# KiCad board FrontEnd_5G.kicad_pcb (continued)
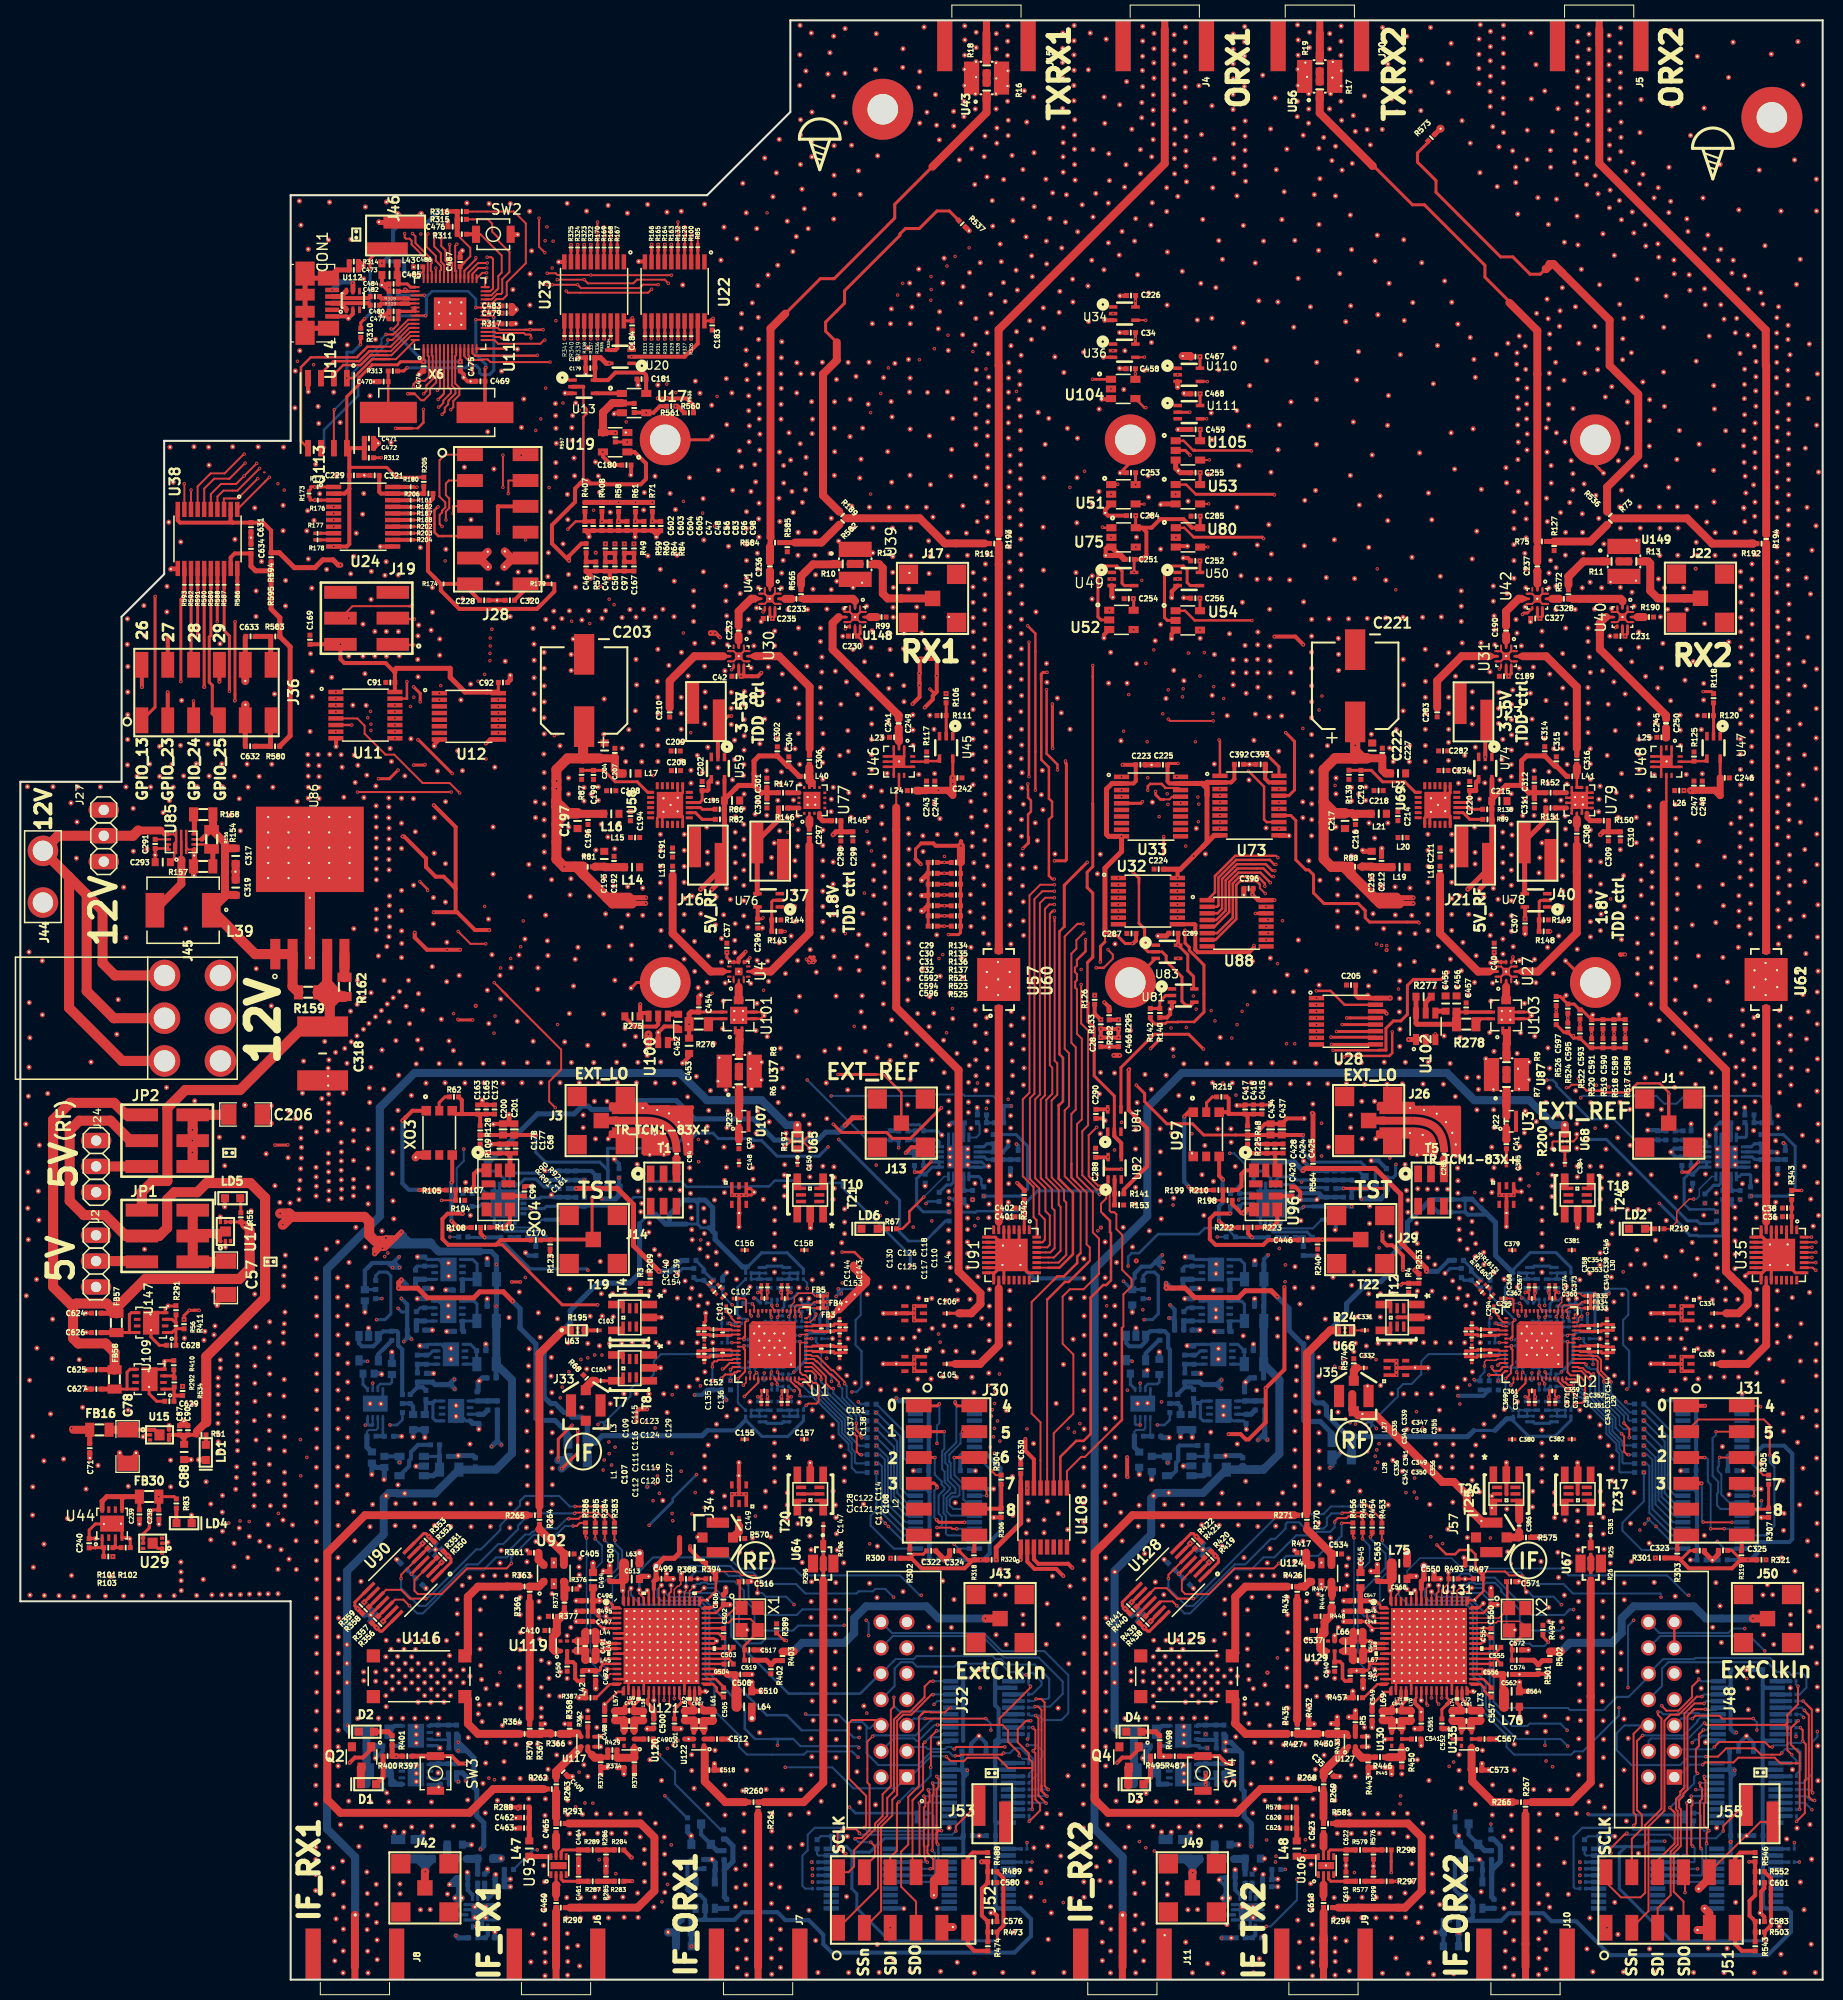
[diagram p0: board, top side]
## Placement (name value [footprint] x y rotation side) (continued)
GND_VIA#1590  VAL**  [GND_VIA#3]  52.44 134.51 90 top
GND_VIA#1591  VAL**  [GND_VIA#3]  53.98 134.55 90 top
GND_VIA#1592  VAL**  [GND_VIA#3]  55.88 134.55 90 top
GND_VIA#1593  VAL**  [GND_VIA#3]  63.16 134.7 90 top
GND_VIA#1594  VAL**  [GND_VIA#3]  61.26 134.7 90 top
GND_VIA#1595  VAL**  [GND_VIA#3]  59.92 134.66 90 top
GND_VIA#1596  VAL**  [GND_VIA#3]  52.41 132.9 90 top
GND_VIA#1597  VAL**  [GND_VIA#3]  60.09 101.68 90 top
GND_VIA#1598  VAL**  [GND_VIA#3]  60.04 100.29 90 top
GND_VIA#1599  VAL**  [GND_VIA#3]  59.38 91.86 90 top
GND_VIA#1600  VAL**  [GND_VIA#3]  59.44 93.5 90 top
GND_VIA#1601  VAL**  [GND_VIA#3]  60.48 92.69 90 top
GND_VIA#1602  VAL**  [GND_VIA#3]  61.62 90.84 90 top
GND_VIA#1603  VAL**  [GND_VIA#3]  60.04 97.47 90 top
GND_VIA#1604  VAL**  [GND_VIA#3]  59.1 103.45 90 top
GND_VIA#1605  VAL**  [GND_VIA#3]  68.34 103.66 90 top
GND_VIA#1606  VAL**  [GND_VIA#3]  124.71 112.44 90 top
GND_VIA#1607  VAL**  [GND_VIA#3]  147.08 158.78 90 top
GND_VIA#1608  VAL**  [GND_VIA#3]  147.16 155.54 90 top
GND_VIA#1609  VAL**  [GND_VIA#3]  147.12 159.9 90 top
GND_VIA#1610  VAL**  [GND_VIA#3]  147.28 154.38 90 top
GND_VIA#1611  VAL**  [GND_VIA#3]  147.25 151.12 90 top
GND_VIA#1612  VAL**  [GND_VIA#3]  147.19 152.81 90 top
GND_VIA#1613  VAL**  [GND_VIA#3]  169.62 146.13 90 top
GND_VIA#1614  VAL**  [GND_VIA#3]  169.51 143.3 90 top
GND_VIA#1615  VAL**  [GND_VIA#3]  169.41 144.67 90 top
GND_VIA#1616  VAL**  [GND_VIA#3]  169.43 144.63 90 top
GND_VIA#1617  VAL**  [GND_VIA#3]  40.49 99.57 90 top
GND_VIA#1618  VAL**  [GND_VIA#3]  37.47 111.19 90 top
GND_VIA#1619  VAL**  [GND_VIA#3]  38.83 112.83 90 top
GND_VIA#1620  VAL**  [GND_VIA#3]  35.75 98.21 90 top
GND_VIA#1621  VAL**  [GND_VIA#3]  35.2 100.62 90 top
GND_VIA#1622  VAL**  [GND_VIA#3]  38.16 98.22 90 top
GND_VIA#1623  VAL**  [GND_VIA#3]  37.49 101.85 90 top
GND_VIA#1624  VAL**  [GND_VIA#3]  46.64 119.17 90 top
GND_VIA#1625  VAL**  [GND_VIA#3]  46.47 113.29 90 top
GND_VIA#1626  VAL**  [GND_VIA#3]  43.46 118.83 90 top
GND_VIA#1627  VAL**  [GND_VIA#3]  43 120.78 90 top
GND_VIA#1628  VAL**  [GND_VIA#3]  46.47 108.66 90 top
GND_VIA#1629  VAL**  [GND_VIA#3]  50.12 106.45 90 top
GND_VIA#1630  VAL**  [GND_VIA#3]  41.38 94.4 90 top
GND_VIA#1631  VAL**  [GND_VIA#3]  57.34 94.92 90 top
GND_VIA#1632  VAL**  [GND_VIA#3]  82.42 102.72 90 top
GND_VIA#1633  VAL**  [GND_VIA#3]  54.38 97.66 90 top
GND_VIA#1634  VAL**  [GND_VIA#3]  46.05 93.98 90 top
GND_VIA#1635  VAL**  [GND_VIA#3]  50.86 97.34 90 top
GND_VIA#1636  VAL**  [GND_VIA#3]  68.2 92.02 90 top
GND_VIA#1637  VAL**  [GND_VIA#3]  49.01 100.72 90 top
GND_VIA#1638  VAL**  [GND_VIA#3]  50.88 99.45 90 top
GND_VIA#1639  VAL**  [GND_VIA#3]  57.87 101.55 90 top
GND_VIA#1640  VAL**  [GND_VIA#3]  54.82 101.47 90 top
GND_VIA#1641  VAL**  [GND_VIA#3]  48.24 99.47 90 top
GND_VIA#1642  VAL**  [GND_VIA#3]  49.99 109.61 90 top
GND_VIA#1643  VAL**  [GND_VIA#3]  55.77 91.83 90 top
GND_VIA#1644  VAL**  [GND_VIA#3]  51.81 102.11 90 top
GND_VIA#1645  VAL**  [GND_VIA#3]  53.51 92.17 90 top
GND_VIA#1646  VAL**  [GND_VIA#3]  53.97 94.96 90 top
GND_VIA#1647  VAL**  [GND_VIA#3]  54.54 100.29 90 top
GND_VIA#1648  VAL**  [GND_VIA#3]  76.59 96.64 90 top
GND_VIA#1649  VAL**  [GND_VIA#3]  12.44 111.1 90 top
GND_VIA#1650  VAL**  [GND_VIA#3]  126.15 135.42 90 top
GND_VIA#1651  VAL**  [GND_VIA#3]  42.57 91.31 90 top
GND_VIA#1652  VAL**  [GND_VIA#3]  42.14 92.27 90 top
GND_VIA#1653  VAL**  [GND_VIA#3]  82.99 93.62 90 top
GND_VIA#1654  VAL**  [GND_VIA#3]  50.41 92.23 90 top
GND_VIA#1655  VAL**  [GND_VIA#3]  47.22 96.39 90 top
GND_VIA#1656  VAL**  [GND_VIA#3]  39.43 91.48 90 top
GND_VIA#1657  VAL**  [GND_VIA#3]  46.02 104.24 90 top
GND_VIA#1658  VAL**  [GND_VIA#3]  49.6 102.28 90 top
GND_VIA#1659  VAL**  [GND_VIA#3]  51.64 104.63 90 top
GND_VIA#1660  VAL**  [GND_VIA#3]  36.27 94.14 90 top
GND_VIA#1661  VAL**  [GND_VIA#3]  35.49 95.25 90 top
GND_VIA#1662  VAL**  [GND_VIA#3]  46.36 100.74 90 top
GND_VIA#1663  VAL**  [GND_VIA#3]  30.26 89.58 90 top
GND_VIA#1664  VAL**  [GND_VIA#3]  31.89 91.53 90 top
GND_VIA#1665  VAL**  [GND_VIA#3]  34.46 89.67 90 top
GND_VIA#1666  VAL**  [GND_VIA#3]  48.85 94.19 90 top
GND_VIA#1667  VAL**  [GND_VIA#3]  32.46 95.19 90 top
GND_VIA#1668  VAL**  [GND_VIA#3]  27.84 90.28 90 top
GND_VIA#1669  VAL**  [GND_VIA#3]  39.06 92.36 90 top
GND_VIA#1670  VAL**  [GND_VIA#3]  36.92 92.3 90 top
GND_VIA#1671  VAL**  [GND_VIA#3]  39.56 95.31 90 top
GND_VIA#1672  VAL**  [GND_VIA#3]  43.14 98.7 90 top
GND_VIA#1673  VAL**  [GND_VIA#3]  51.86 100.66 90 top
GND_VIA#1674  VAL**  [GND_VIA#3]  45.91 97.25 90 top
GND_VIA#1675  VAL**  [GND_VIA#3]  47.14 98.7 90 top
GND_VIA#1676  VAL**  [GND_VIA#3]  41.91 98.09 90 top
GND_VIA#1677  VAL**  [GND_VIA#3]  33.14 98.23 90 top
GND_VIA#1678  VAL**  [GND_VIA#3]  82.65 95.13 90 top
GND_VIA#1679  VAL**  [GND_VIA#3]  78.25 99.02 90 top
GND_VIA#1680  VAL**  [GND_VIA#3]  91.37 96.97 90 top
GND_VIA#1681  VAL**  [GND_VIA#3]  76.26 95.2 90 top
GND_VIA#1682  VAL**  [GND_VIA#3]  82.45 99.2 90 top
GND_VIA#1683  VAL**  [GND_VIA#3]  81.42 107.98 90 top
GND_VIA#1684  VAL**  [GND_VIA#3]  82.82 104.79 90 top
GND_VIA#1685  VAL**  [GND_VIA#3]  89.38 96.61 90 top
GND_VIA#1686  VAL**  [GND_VIA#3]  82.75 96.7 90 top
GND_VIA#1687  VAL**  [GND_VIA#3]  89.79 94.99 90 top
GND_VIA#1688  VAL**  [GND_VIA#3]  80.19 96.67 90 top
GND_VIA#1689  VAL**  [GND_VIA#3]  88.62 106.56 90 top
GND_VIA#1690  VAL**  [GND_VIA#3]  88.6 108.06 90 top
GND_VIA#1691  VAL**  [GND_VIA#3]  88.59 105.05 90 top
GND_VIA#1692  VAL**  [GND_VIA#3]  59.51 152.07 90 top
GND_VIA#1693  VAL**  [GND_VIA#3]  58.37 153.91 90 top
GND_VIA#1694  VAL**  [GND_VIA#3]  57.95 137.77 90 top
GND_VIA#1695  VAL**  [GND_VIA#3]  56.04 137.77 90 top
GND_VIA#1696  VAL**  [GND_VIA#3]  62.52 141.8 90 top
GND_VIA#1697  VAL**  [GND_VIA#3]  60.43 141.81 90 top
GND_VIA#1698  VAL**  [GND_VIA#3]  55.9 141.82 90 top
GND_VIA#1699  VAL**  [GND_VIA#3]  45.95 140.35 90 top
GND_VIA#1700  VAL**  [GND_VIA#3]  47.62 140.38 90 top
GND_VIA#1701  VAL**  [GND_VIA#3]  47.57 138.87 90 top
GND_VIA#1702  VAL**  [GND_VIA#3]  45.98 138.87 90 top
GND_VIA#1703  VAL**  [GND_VIA#3]  35.38 140.86 90 top
GND_VIA#1704  VAL**  [GND_VIA#3]  39.32 140.77 90 top
GND_VIA#1705  VAL**  [GND_VIA#3]  28.3 156.07 90 top
GND_VIA#1706  VAL**  [GND_VIA#3]  35.25 172.77 90 top
GND_VIA#1707  VAL**  [GND_VIA#3]  37.08 173.59 90 top
GND_VIA#1708  VAL**  [GND_VIA#3]  39.41 173.6 90 top
GND_VIA#1709  VAL**  [GND_VIA#3]  43.45 169.94 90 top
GND_VIA#1710  VAL**  [GND_VIA#3]  50.11 167.66 90 top
GND_VIA#1711  VAL**  [GND_VIA#3]  50.26 169.92 90 top
GND_VIA#1712  VAL**  [GND_VIA#3]  52.92 168.83 90 top
GND_VIA#1713  VAL**  [GND_VIA#3]  60.78 168.88 90 top
GND_VIA#1714  VAL**  [GND_VIA#3]  50.14 162.88 90 top
GND_VIA#1715  VAL**  [GND_VIA#3]  50.09 164.59 90 top
GND_VIA#1716  VAL**  [GND_VIA#3]  60.16 161.65 90 top
GND_VIA#1717  VAL**  [GND_VIA#3]  60.12 160.71 90 top
GND_VIA#1718  VAL**  [GND_VIA#3]  60.73 156.72 90 top
GND_VIA#1719  VAL**  [GND_VIA#3]  53.54 155.94 90 top
GND_VIA#1720  VAL**  [GND_VIA#3]  54.98 159.43 90 top
GND_VIA#1721  VAL**  [GND_VIA#3]  55.59 157.79 90 top
GND_VIA#1722  VAL**  [GND_VIA#3]  48.86 160.26 90 top
GND_VIA#1723  VAL**  [GND_VIA#3]  47.31 158.1 90 top
GND_VIA#1724  VAL**  [GND_VIA#3]  49.49 155.36 90 top
GND_VIA#1725  VAL**  [GND_VIA#3]  54.43 149.56 90 top
GND_VIA#1726  VAL**  [GND_VIA#3]  52.64 147.69 90 top
GND_VIA#1727  VAL**  [GND_VIA#3]  52.69 151.01 90 top
GND_VIA#1728  VAL**  [GND_VIA#3]  57.99 144.23 90 top
GND_VIA#1729  VAL**  [GND_VIA#3]  53.82 143.51 90 top
GND_VIA#1730  VAL**  [GND_VIA#3]  52.64 149.11 90 top
GND_VIA#1731  VAL**  [GND_VIA#3]  52.65 152.48 90 top
GND_VIA#1732  VAL**  [GND_VIA#3]  52.62 153.72 90 top
GND_VIA#1733  VAL**  [GND_VIA#3]  52.6 154.91 90 top
GND_VIA#1734  VAL**  [GND_VIA#3]  54.21 152.53 90 top
GND_VIA#1735  VAL**  [GND_VIA#3]  54.29 153.73 90 top
GND_VIA#1736  VAL**  [GND_VIA#3]  54.24 151.29 90 top
GND_VIA#1737  VAL**  [GND_VIA#3]  54.59 154.97 90 top
GND_VIA#1738  VAL**  [GND_VIA#3]  56.82 147.79 90 top
GND_VIA#1739  VAL**  [GND_VIA#3]  62.39 147.77 90 top
GND_VIA#1740  VAL**  [GND_VIA#3]  54.48 147.81 90 top
GND_VIA#1741  VAL**  [GND_VIA#3]  56.93 146.18 90 top
GND_VIA#1742  VAL**  [GND_VIA#3]  61.34 146.17 90 top
GND_VIA#1743  VAL**  [GND_VIA#3]  60.01 147.9 90 top
GND_VIA#1744  VAL**  [GND_VIA#3]  56.54 149.17 90 top
GND_VIA#1745  VAL**  [GND_VIA#3]  33.76 146.07 0 top
GND_VIA#1746  VAL**  [GND_VIA#3]  33.65 144.04 0 top
GND_VIA#1747  VAL**  [GND_VIA#3]  33.02 142.18 90 top
GND_VIA#1748  VAL**  [GND_VIA#3]  36.43 151.09 90 top
GND_VIA#1749  VAL**  [GND_VIA#3]  31.1 147.81 90 top
GND_VIA#1750  VAL**  [GND_VIA#3]  29.04 148.95 90 top
GND_VIA#1751  VAL**  [GND_VIA#3]  29.43 146.05 90 top
GND_VIA#1752  VAL**  [GND_VIA#3]  32.77 139.88 90 top
GND_VIA#1753  VAL**  [GND_VIA#3]  34.51 138.42 90 top
GND_VIA#1754  VAL**  [GND_VIA#3]  35.96 139.37 90 top
GND_VIA#1755  VAL**  [GND_VIA#3]  35.84 138.03 90 top
GND_VIA#1756  VAL**  [GND_VIA#3]  37.15 138.07 90 top
GND_VIA#1757  VAL**  [GND_VIA#3]  37.16 132.5 90 top
GND_VIA#1758  VAL**  [GND_VIA#3]  35.98 132.51 90 top
GND_VIA#1759  VAL**  [GND_VIA#3]  34.85 132.51 90 top
GND_VIA#1760  VAL**  [GND_VIA#3]  33.68 133.23 90 top
GND_VIA#1761  VAL**  [GND_VIA#3]  34.48 135.66 90 top
GND_VIA#1762  VAL**  [GND_VIA#3]  39.16 133.14 90 top
GND_VIA#1763  VAL**  [GND_VIA#3]  39.09 132.08 90 top
GND_VIA#1764  VAL**  [GND_VIA#3]  41.23 131.77 90 top
GND_VIA#1765  VAL**  [GND_VIA#3]  40.5 136.83 90 top
GND_VIA#1766  VAL**  [GND_VIA#3]  40.38 132.64 90 top
GND_VIA#1767  VAL**  [GND_VIA#3]  40.51 134.39 90 top
GND_VIA#1768  VAL**  [GND_VIA#3]  41.83 140.59 90 top
GND_VIA#1769  VAL**  [GND_VIA#3]  48.93 138.35 90 top
GND_VIA#1770  VAL**  [GND_VIA#3]  50.12 138.42 90 top
GND_VIA#1771  VAL**  [GND_VIA#3]  53.35 141.12 90 top
GND_VIA#1772  VAL**  [GND_VIA#3]  53.89 138.12 90 top
GND_VIA#1773  VAL**  [GND_VIA#3]  54.58 136.86 90 top
GND_VIA#1774  VAL**  [GND_VIA#3]  51.86 137.91 90 top
GND_VIA#1775  VAL**  [GND_VIA#3]  62.91 138.62 90 top
GND_VIA#1776  VAL**  [GND_VIA#3]  61.69 139.95 90 top
GND_VIA#1777  VAL**  [GND_VIA#3]  64.28 137.46 90 top
GND_VIA#1778  VAL**  [GND_VIA#3]  64.55 140.02 90 top
GND_VIA#1779  VAL**  [GND_VIA#3]  64.4 144.5 90 top
GND_VIA#1780  VAL**  [GND_VIA#3]  61.27 144.45 90 top
GND_VIA#1781  VAL**  [GND_VIA#3]  52.12 144.26 90 top
GND_VIA#1782  VAL**  [GND_VIA#3]  53.78 145.99 90 top
GND_VIA#1783  VAL**  [GND_VIA#3]  51.91 140.25 90 top
GND_VIA#1784  VAL**  [GND_VIA#3]  50.1 135.67 90 top
GND_VIA#1785  VAL**  [GND_VIA#3]  43.48 135.72 90 top
GND_VIA#1786  VAL**  [GND_VIA#3]  48.15 133.98 90 top
GND_VIA#1787  VAL**  [GND_VIA#3]  47.66 129.59 90 top
GND_VIA#1788  VAL**  [GND_VIA#3]  48.16 128.2 90 top
GND_VIA#1789  VAL**  [GND_VIA#3]  44.26 127.34 90 top
GND_VIA#1790  VAL**  [GND_VIA#3]  43.3 125.78 90 top
GND_VIA#1791  VAL**  [GND_VIA#3]  39.1 128.05 90 top
GND_VIA#1792  VAL**  [GND_VIA#3]  39.07 129.75 90 top
GND_VIA#1793  VAL**  [GND_VIA#3]  41.23 130.18 90 top
GND_VIA#1794  VAL**  [GND_VIA#3]  32.68 125.27 90 top
GND_VIA#1795  VAL**  [GND_VIA#3]  38.4 121.97 90 top
GND_VIA#1796  VAL**  [GND_VIA#3]  31.04 121.21 90 top
GND_VIA#1797  VAL**  [GND_VIA#3]  40.68 121.25 90 top
GND_VIA#1798  VAL**  [GND_VIA#3]  34.85 130.1 90 top
GND_VIA#1799  VAL**  [GND_VIA#3]  35.99 130.09 90 top
GND_VIA#1800  VAL**  [GND_VIA#3]  37.25 130.12 90 top
GND_VIA#1801  VAL**  [GND_VIA#3]  33.68 130.09 90 top
GND_VIA#1802  VAL**  [GND_VIA#3]  32.29 130.09 90 top
GND_VIA#1803  VAL**  [GND_VIA#3]  33.87 128.36 90 top
GND_VIA#1804  VAL**  [GND_VIA#3]  33.99 125.24 90 top
GND_VIA#1805  VAL**  [GND_VIA#3]  33.18 119.36 90 top
GND_VIA#1806  VAL**  [GND_VIA#3]  36.48 119.73 90 top
GND_VIA#1807  VAL**  [GND_VIA#3]  41.01 118.8 90 top
GND_VIA#1808  VAL**  [GND_VIA#3]  37.79 118.31 90 top
GND_VIA#1809  VAL**  [GND_VIA#3]  36.22 116.15 90 top
GND_VIA#1810  VAL**  [GND_VIA#3]  37.47 116.12 90 top
GND_VIA#1811  VAL**  [GND_VIA#3]  38.64 116.08 90 top
GND_VIA#1812  VAL**  [GND_VIA#3]  33.77 116.19 90 top
GND_VIA#1813  VAL**  [GND_VIA#3]  29.11 83.33 180 top
GND_VIA#1814  VAL**  [GND_VIA#3]  30.28 83.48 180 top
GND_VIA#1815  VAL**  [GND_VIA#3]  31.53 84.19 180 top
GND_VIA#1816  VAL**  [GND_VIA#3]  24.67 95.71 180 top
GND_VIA#1817  VAL**  [GND_VIA#3]  22.07 85.96 180 top
GND_VIA#1818  VAL**  [GND_VIA#3]  22.07 85.96 180 top
GND_VIA#1819  VAL**  [GND_VIA#3]  22.07 85.96 180 top
GND_VIA#1820  VAL**  [GND_VIA#3]  22.07 85.96 180 top
GND_VIA#1821  VAL**  [GND_VIA#3]  108.12 148.11 90 top
GND_VIA#1822  VAL**  [GND_VIA#3]  106.59 163.11 90 top
GND_VIA#1823  VAL**  [GND_VIA#3]  111.28 115.73 90 top
GND_VIA#1824  VAL**  [GND_VIA#3]  115.6 113.16 90 top
GND_VIA#1825  VAL**  [GND_VIA#3]  126.66 109.97 90 top
GND_VIA#1826  VAL**  [GND_VIA#3]  116.49 110.64 90 top
GND_VIA#1827  VAL**  [GND_VIA#3]  117.16 126.23 90 top
GND_VIA#1828  VAL**  [GND_VIA#3]  117.37 119.48 90 top
GND_VIA#1829  VAL**  [GND_VIA#3]  115.98 131.84 90 top
GND_VIA#1830  VAL**  [GND_VIA#3]  123.7 120.74 90 top
GND_VIA#1831  VAL**  [GND_VIA#3]  121.26 121.81 90 top
GND_VIA#1832  VAL**  [GND_VIA#3]  112.62 125.93 90 top
GND_VIA#1833  VAL**  [GND_VIA#3]  122.46 113.2 90 top
GND_VIA#1834  VAL**  [GND_VIA#3]  109.73 129.34 90 top
GND_VIA#1835  VAL**  [GND_VIA#3]  111.56 131.6 90 top
GND_VIA#1836  VAL**  [GND_VIA#3]  106.31 155.35 90 top
GND_VIA#1837  VAL**  [GND_VIA#3]  103.19 122.9 90 top
GND_VIA#1838  VAL**  [GND_VIA#3]  106.69 139.98 90 top
GND_VIA#1839  VAL**  [GND_VIA#3]  118.64 124.24 90 top
GND_VIA#1840  VAL**  [GND_VIA#3]  114.38 127.67 90 top
GND_VIA#1841  VAL**  [GND_VIA#3]  119.6 144.72 90 top
GND_VIA#1842  VAL**  [GND_VIA#3]  100.37 116.46 90 top
GND_VIA#1843  VAL**  [GND_VIA#3]  110.87 147.81 90 top
GND_VIA#1844  VAL**  [GND_VIA#3]  86.87 132.37 90 top
GND_VIA#1845  VAL**  [GND_VIA#3]  86.81 130.81 90 top
GND_VIA#1846  VAL**  [GND_VIA#3]  117.38 130.25 90 top
GND_VIA#1847  VAL**  [GND_VIA#3]  113.38 128.69 90 top
GND_VIA#1848  VAL**  [GND_VIA#3]  118.86 132.29 90 top
GND_VIA#1849  VAL**  [GND_VIA#3]  120.78 117.91 90 top
GND_VIA#1850  VAL**  [GND_VIA#3]  116.8 147.94 90 top
GND_VIA#1851  VAL**  [GND_VIA#3]  88.8 133.91 90 top
GND_VIA#1852  VAL**  [GND_VIA#3]  117.14 151.37 90 top
GND_VIA#1853  VAL**  [GND_VIA#3]  105.38 145.1 90 top
GND_VIA#1854  VAL**  [GND_VIA#3]  108.19 121.77 90 top
GND_VIA#1855  VAL**  [GND_VIA#3]  87.4 138.27 90 top
GND_VIA#1856  VAL**  [GND_VIA#3]  102.58 157.97 90 top
GND_VIA#1857  VAL**  [GND_VIA#3]  108.09 165.5 90 top
GND_VIA#1858  VAL**  [GND_VIA#3]  112.09 140.61 90 top
GND_VIA#1859  VAL**  [GND_VIA#3]  111.05 143.91 90 top
GND_VIA#1860  VAL**  [GND_VIA#3]  114.79 145.31 90 top
GND_VIA#1861  VAL**  [GND_VIA#3]  113.18 135.83 90 top
GND_VIA#1862  VAL**  [GND_VIA#3]  113.16 131.8 90 top
GND_VIA#1863  VAL**  [GND_VIA#3]  110.49 158.18 90 top
GND_VIA#1864  VAL**  [GND_VIA#3]  106.65 144.17 90 top
GND_VIA#1865  VAL**  [GND_VIA#3]  114.32 139.74 90 top
GND_VIA#1866  VAL**  [GND_VIA#3]  108.06 161.89 90 top
GND_VIA#1867  VAL**  [GND_VIA#3]  106.48 159.47 90 top
GND_VIA#1868  VAL**  [GND_VIA#3]  108.06 158.38 90 top
GND_VIA#1869  VAL**  [GND_VIA#3]  114.39 155.92 90 top
GND_VIA#1870  VAL**  [GND_VIA#3]  112.08 133.2 90 top
GND_VIA#1871  VAL**  [GND_VIA#3]  113.77 156.53 90 top
GND_VIA#1872  VAL**  [GND_VIA#3]  110.91 145.72 90 top
GND_VIA#1873  VAL**  [GND_VIA#3]  85.76 138.32 90 top
GND_VIA#1874  VAL**  [GND_VIA#3]  111.19 160.92 90 top
GND_VIA#1875  VAL**  [GND_VIA#3]  106.52 131.88 90 top
GND_VIA#1876  VAL**  [GND_VIA#3]  114.36 135.82 90 top
GND_VIA#1877  VAL**  [GND_VIA#3]  108.8 127.43 90 top
GND_VIA#1878  VAL**  [GND_VIA#3]  89.33 138.21 90 top
GND_VIA#1879  VAL**  [GND_VIA#3]  88.6 132.37 90 top
GND_VIA#1880  VAL**  [GND_VIA#3]  89.13 130.86 90 top
GND_VIA#1881  VAL**  [GND_VIA#3]  114.73 140.9 90 top
GND_VIA#1882  VAL**  [GND_VIA#3]  85.49 132.3 90 top
GND_VIA#1883  VAL**  [GND_VIA#3]  85.5 130.74 90 top
GND_VIA#1884  VAL**  [GND_VIA#3]  91.28 133.94 90 top
GND_VIA#1885  VAL**  [GND_VIA#3]  86.85 127.19 90 top
GND_VIA#1886  VAL**  [GND_VIA#3]  88.72 112.43 90 top
GND_VIA#1887  VAL**  [GND_VIA#3]  136.8 139.8 90 top
GND_VIA#1888  VAL**  [GND_VIA#3]  120.76 152.71 90 top
GND_VIA#1889  VAL**  [GND_VIA#3]  131.62 144.94 90 top
GND_VIA#1890  VAL**  [GND_VIA#3]  119.8 148.81 90 top
GND_VIA#1891  VAL**  [GND_VIA#3]  122.81 134.69 90 top
GND_VIA#1892  VAL**  [GND_VIA#3]  122.98 140.12 90 top
GND_VIA#1893  VAL**  [GND_VIA#3]  131.04 153.1 90 top
GND_VIA#1894  VAL**  [GND_VIA#3]  122.72 143 90 top
GND_VIA#1895  VAL**  [GND_VIA#3]  115.7 163.13 90 top
GND_VIA#1896  VAL**  [GND_VIA#3]  124.91 155.07 90 top
GND_VIA#1897  VAL**  [GND_VIA#3]  112.76 169.81 90 top
GND_VIA#1898  VAL**  [GND_VIA#3]  137.55 150.06 90 top
GND_VIA#1899  VAL**  [GND_VIA#3]  143.17 142.37 90 top
GND_VIA#1900  VAL**  [GND_VIA#3]  136.04 163.08 90 top
GND_VIA#1901  VAL**  [GND_VIA#3]  123.78 152.82 90 top
GND_VIA#1902  VAL**  [GND_VIA#3]  85.65 128.26 90 top
GND_VIA#1903  VAL**  [GND_VIA#3]  132.89 149.86 90 top
GND_VIA#1904  VAL**  [GND_VIA#3]  126.26 145.4 90 top
GND_VIA#1905  VAL**  [GND_VIA#3]  129.17 141.53 90 top
GND_VIA#1906  VAL**  [GND_VIA#3]  122.52 159.14 90 top
GND_VIA#1907  VAL**  [GND_VIA#3]  129.7 167.69 90 top
GND_VIA#1908  VAL**  [GND_VIA#3]  130.74 147.85 90 top
GND_VIA#1909  VAL**  [GND_VIA#3]  120.85 156.68 90 top
GND_VIA#1910  VAL**  [GND_VIA#3]  127.42 150.91 90 top
GND_VIA#1911  VAL**  [GND_VIA#3]  127.43 155.31 90 top
GND_VIA#1912  VAL**  [GND_VIA#3]  121.74 165.01 90 top
GND_VIA#1913  VAL**  [GND_VIA#3]  122.94 148.16 90 top
GND_VIA#1914  VAL**  [GND_VIA#3]  135.66 159.72 90 top
GND_VIA#1915  VAL**  [GND_VIA#3]  134.49 155.7 90 top
GND_VIA#1916  VAL**  [GND_VIA#3]  127.33 146.38 90 top
GND_VIA#1917  VAL**  [GND_VIA#3]  123.64 150.37 90 top
GND_VIA#1918  VAL**  [GND_VIA#3]  134.42 143.41 90 top
GND_VIA#1919  VAL**  [GND_VIA#3]  140.71 164.87 90 top
GND_VIA#1920  VAL**  [GND_VIA#3]  119.99 137.99 90 top
GND_VIA#1921  VAL**  [GND_VIA#3]  121.6 141.01 90 top
GND_VIA#1922  VAL**  [GND_VIA#3]  119.4 140.15 90 top
GND_VIA#1923  VAL**  [GND_VIA#3]  126.22 140.93 90 top
GND_VIA#1924  VAL**  [GND_VIA#3]  79.28 84.63 90 top
GND_VIA#1925  VAL**  [GND_VIA#3]  79.07 91.28 90 top
GND_VIA#1926  VAL**  [GND_VIA#3]  85.48 91.83 90 top
GND_VIA#1927  VAL**  [GND_VIA#3]  84.23 90.62 90 top
GND_VIA#1928  VAL**  [GND_VIA#3]  92.54 100.46 90 top
GND_VIA#1929  VAL**  [GND_VIA#3]  80.57 99.38 90 top
GND_VIA#1930  VAL**  [GND_VIA#3]  82.22 100.51 90 top
GND_VIA#1931  VAL**  [GND_VIA#3]  79.99 100.56 90 top
GND_VIA#1932  VAL**  [GND_VIA#3]  83.26 101.69 90 top
GND_VIA#1933  VAL**  [GND_VIA#3]  126.41 99.15 90 top
GND_VIA#1934  VAL**  [GND_VIA#3]  127.67 97.76 90 top
GND_VIA#1935  VAL**  [GND_VIA#3]  123.32 97.11 90 top
GND_VIA#1936  VAL**  [GND_VIA#3]  122.88 100.41 90 top
GND_VIA#1937  VAL**  [GND_VIA#3]  125.63 102.18 90 top
GND_VIA#1938  VAL**  [GND_VIA#3]  132.53 97.67 90 top
GND_VIA#1939  VAL**  [GND_VIA#3]  133.17 99.1 90 top
GND_VIA#1940  VAL**  [GND_VIA#3]  125.14 97.1 90 top
GND_VIA#1941  VAL**  [GND_VIA#3]  121.28 97.1 90 top
GND_VIA#1942  VAL**  [GND_VIA#3]  121.13 100.09 90 top
GND_VIA#1943  VAL**  [GND_VIA#3]  138.92 99.18 90 top
GND_VIA#1944  VAL**  [GND_VIA#3]  137.03 100.06 90 top
GND_VIA#1945  VAL**  [GND_VIA#3]  32.53 92.18 90 top
GND_VIA#1946  VAL**  [GND_VIA#3]  33.73 93.41 90 top
GND_VIA#1947  VAL**  [GND_VIA#3]  33.09 92.76 90 top
GND_VIA#1948  VAL**  [GND_VIA#3]  34.27 93.99 90 top
GND_VIA#1949  VAL**  [GND_VIA#3]  34.91 94.64 90 top
GND_VIA#1950  VAL**  [GND_VIA#3]  36.07 95.9 90 top
GND_VIA#1951  VAL**  [GND_VIA#3]  36.65 96.51 90 top
GND_VIA#1952  VAL**  [GND_VIA#3]  37.28 97.12 90 top
GND_VIA#1953  VAL**  [GND_VIA#3]  33.11 95.86 90 top
GND_VIA#1954  VAL**  [GND_VIA#3]  37.47 100.46 90 top
GND_VIA#1955  VAL**  [GND_VIA#3]  34.48 97 90 top
GND_VIA#1956  VAL**  [GND_VIA#3]  33.75 96.5 90 top
GND_VIA#1957  VAL**  [GND_VIA#3]  35.55 91.37 90 top
GND_VIA#1958  VAL**  [GND_VIA#3]  38.26 93.96 90 top
GND_VIA#1959  VAL**  [GND_VIA#3]  37.93 95.67 90 top
GND_VIA#1960  VAL**  [GND_VIA#3]  32.11 90.07 90 top
GND_VIA#1961  VAL**  [GND_VIA#3]  39.14 96.91 90 top
GND_VIA#1962  VAL**  [GND_VIA#3]  32.83 120.36 90 top
GND_VIA#1963  VAL**  [GND_VIA#3]  36.35 121.01 90 top
GND_VIA#1964  VAL**  [GND_VIA#3]  150.97 138.79 90 top
GND_VIA#1965  VAL**  [GND_VIA#3]  154.31 137.35 90 top
GND_VIA#1966  VAL**  [GND_VIA#3]  156.32 137.38 90 top
GND_VIA#1967  VAL**  [GND_VIA#3]  94.07 143.31 90 top
GND_VIA#1968  VAL**  [GND_VIA#3]  80.44 141.39 90 top
GND_VIA#1969  VAL**  [GND_VIA#3]  81.85 142.68 90 top
GND_VIA#1970  VAL**  [GND_VIA#3]  83.8 142.69 90 top
GND_VIA#1971  VAL**  [GND_VIA#3]  85.74 142.67 90 top
GND_VIA#1972  VAL**  [GND_VIA#3]  89.28 141.41 90 top
GND_VIA#1973  VAL**  [GND_VIA#3]  87.51 142.69 90 top
GND_VIA#1974  VAL**  [GND_VIA#3]  91.17 142.23 90 top
GND_VIA#1975  VAL**  [GND_VIA#3]  79.72 143.64 90 top
GND_VIA#1976  VAL**  [GND_VIA#3]  78.13 142.25 90 top
GND_VIA#1977  VAL**  [GND_VIA#3]  75.97 144.21 90 top
GND_VIA#1978  VAL**  [GND_VIA#3]  76.46 142.26 90 top
GND_VIA#1979  VAL**  [GND_VIA#3]  78.13 142.26 90 top
GND_VIA#1980  VAL**  [GND_VIA#3]  93 142.18 90 top
GND_VIA#1981  VAL**  [GND_VIA#3]  89.71 143.75 90 top
GND_VIA#1982  VAL**  [GND_VIA#3]  95.01 143.75 90 top
GND_VIA#1983  VAL**  [GND_VIA#3]  80.26 137.45 90 top
GND_VIA#1984  VAL**  [GND_VIA#3]  78.17 138.08 90 top
GND_VIA#1985  VAL**  [GND_VIA#3]  79.59 140.18 90 top
GND_VIA#1986  VAL**  [GND_VIA#3]  87.17 144.73 90 top
GND_VIA#1987  VAL**  [GND_VIA#3]  89.06 144.72 90 top
GND_VIA#1988  VAL**  [GND_VIA#3]  85.4 144.71 90 top
GND_VIA#1989  VAL**  [GND_VIA#3]  83.46 144.73 90 top
GND_VIA#1990  VAL**  [GND_VIA#3]  81.73 144.82 90 top
GND_VIA#1991  VAL**  [GND_VIA#3]  87.54 139.96 90 top
GND_VIA#1992  VAL**  [GND_VIA#3]  85.76 139.88 90 top
GND_VIA#1993  VAL**  [GND_VIA#3]  89.43 139.92 90 top
GND_VIA#1994  VAL**  [GND_VIA#3]  83.8 140.24 90 top
GND_VIA#1995  VAL**  [GND_VIA#3]  161.93 134.68 90 top
GND_VIA#1996  VAL**  [GND_VIA#3]  158.43 136.37 90 top
GND_VIA#1997  VAL**  [GND_VIA#3]  163.82 134.67 90 top
GND_VIA#1998  VAL**  [GND_VIA#3]  163.5 136.8 90 top
GND_VIA#1999  VAL**  [GND_VIA#3]  161.61 136.81 90 top
GND_VIA#2000  VAL**  [GND_VIA#3]  161.03 137.67 90 top
GND_VIA#2001  VAL**  [GND_VIA#3]  88.12 134.92 90 top
GND_VIA#2002  VAL**  [GND_VIA#3]  85.79 134.88 90 top
GND_VIA#2003  VAL**  [GND_VIA#3]  85.82 136.83 90 top
GND_VIA#2004  VAL**  [GND_VIA#3]  87.33 136.68 90 top
GND_VIA#2005  VAL**  [GND_VIA#3]  82.74 137.31 90 top
GND_VIA#2006  VAL**  [GND_VIA#3]  158.82 137.51 90 top
GND_VIA#2007  VAL**  [GND_VIA#3]  158.88 141.44 90 top
GND_VIA#2008  VAL**  [GND_VIA#2]  78.37 188.18 90 top
GND_VIA#2009  VAL**  [GND_VIA#3]  91.76 182.19 90 top
GND_VIA#2010  VAL**  [GND_VIA#3]  90.07 182.27 90 top
GND_VIA#2011  VAL**  [GND_VIA#3]  91.74 183.63 90 top
GND_VIA#2012  VAL**  [GND_VIA#3]  94.83 181.21 90 top
GND_VIA#2013  VAL**  [GND_VIA#3]  93.5 179.96 90 top
GND_VIA#2014  VAL**  [GND_VIA#3]  132.39 181.84 90 top
GND_VIA#2015  VAL**  [GND_VIA#3]  133.88 181.86 90 top
GND_VIA#2016  VAL**  [GND_VIA#3]  119.59 175.32 90 top
GND_VIA#2017  VAL**  [GND_VIA#3]  120.44 176.77 90 top
GND_VIA#2018  VAL**  [GND_VIA#3]  120.4 181.19 90 top
GND_VIA#2019  VAL**  [GND_VIA#3]  120.41 182.69 90 top
GND_VIA#2020  VAL**  [GND_VIA#3]  120.4 178.3 90 top
GND_VIA#2021  VAL**  [GND_VIA#3]  120.39 179.81 90 top
GND_VIA#2022  VAL**  [GND_VIA#3]  119.27 179.06 90 top
GND_VIA#2023  VAL**  [GND_VIA#3]  119.28 177.55 90 top
GND_VIA#2024  VAL**  [GND_VIA#3]  119.28 181.94 90 top
GND_VIA#2025  VAL**  [GND_VIA#3]  119.28 180.44 90 top
GND_VIA#2026  VAL**  [GND_VIA#3]  119.22 189.72 90 top
GND_VIA#2027  VAL**  [GND_VIA#3]  119.24 191.22 90 top
GND_VIA#2028  VAL**  [GND_VIA#3]  119.22 183.81 90 top
GND_VIA#2029  VAL**  [GND_VIA#3]  119.21 185.31 90 top
GND_VIA#2030  VAL**  [GND_VIA#3]  119.22 186.81 90 top
GND_VIA#2031  VAL**  [GND_VIA#3]  119.22 188.32 90 top
GND_VIA#2032  VAL**  [GND_VIA#3]  120.34 189.07 90 top
GND_VIA#2033  VAL**  [GND_VIA#3]  120.34 187.56 90 top
GND_VIA#2034  VAL**  [GND_VIA#3]  120.33 186.06 90 top
GND_VIA#2035  VAL**  [GND_VIA#3]  120.34 184.56 90 top
GND_VIA#2036  VAL**  [GND_VIA#3]  120.36 191.97 90 top
GND_VIA#2037  VAL**  [GND_VIA#3]  120.34 190.47 90 top
GND_VIA#2038  VAL**  [GND_VIA#3]  103.59 190.57 90 top
GND_VIA#2039  VAL**  [GND_VIA#3]  103.59 192.07 90 top
GND_VIA#2040  VAL**  [GND_VIA#3]  103.58 184.68 90 top
GND_VIA#2041  VAL**  [GND_VIA#3]  103.56 186.18 90 top
GND_VIA#2042  VAL**  [GND_VIA#3]  103.59 187.68 90 top
GND_VIA#2043  VAL**  [GND_VIA#3]  103.58 189.19 90 top
GND_VIA#2044  VAL**  [GND_VIA#3]  102.46 188.44 90 top
GND_VIA#2045  VAL**  [GND_VIA#3]  102.47 186.93 90 top
GND_VIA#2046  VAL**  [GND_VIA#3]  102.44 185.43 90 top
GND_VIA#2047  VAL**  [GND_VIA#3]  102.46 183.93 90 top
GND_VIA#2048  VAL**  [GND_VIA#3]  102.47 191.32 90 top
GND_VIA#2049  VAL**  [GND_VIA#3]  102.47 189.82 90 top
GND_VIA#2050  VAL**  [GND_VIA#3]  102.52 180.56 90 top
GND_VIA#2051  VAL**  [GND_VIA#3]  102.53 182.06 90 top
GND_VIA#2052  VAL**  [GND_VIA#3]  102.52 177.66 90 top
